# Altium PCB NORA-B1-EVK.PcbDoc (part 6 of 6)
Units mil, origin at the board's own origin, x right, y up, seen from the top; angles counter-clockwise.
Board outline 4300 x 2200 mil, 4 copper layers (L1, L2, L3, L4), stack 61.418 mil thick; 362 components, 204 nets, 1273 pads, 1409 vias.
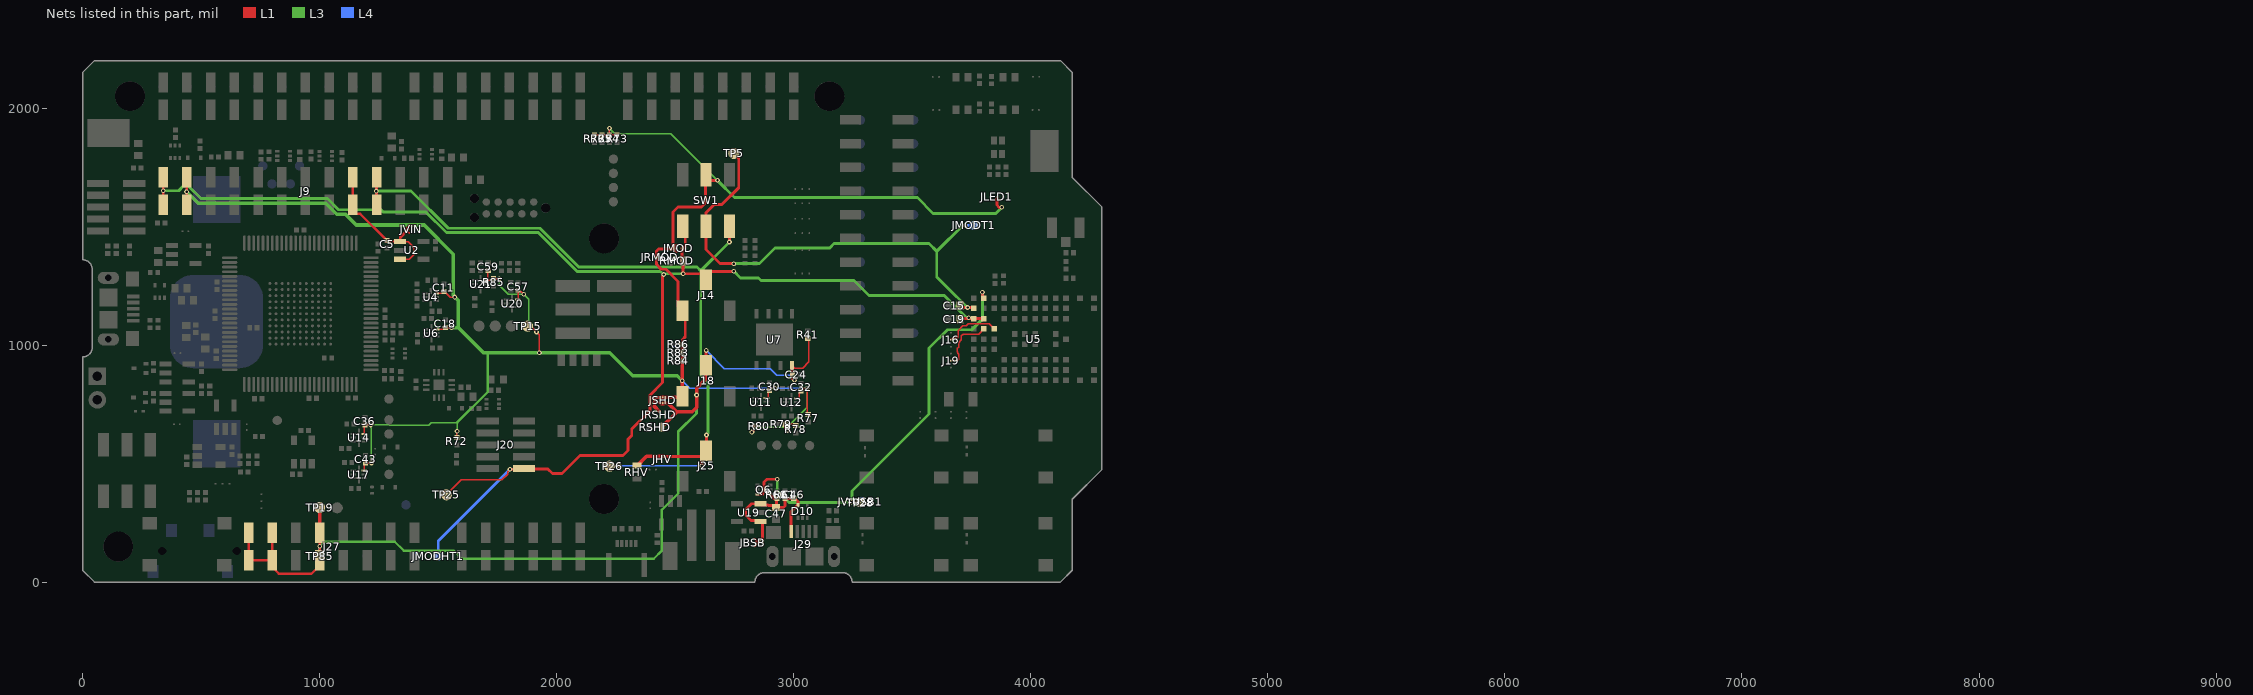
[diagram p8: the nets of this part, all layers, seen from the top]

## Via types
v1: diameter 20, hole 10, L1 to L4, 1095 vias
v2: diameter 15.75, hole 7.87, L1 to L2, 114 vias
v3: diameter 20, hole 10, L1 to L4, tented both sides, 105 vias
v4: diameter 15.75, hole 7.87, L3 to L4, 48 vias
v5: diameter 20, hole 10, L2 to L3, 47 vias

## Nets (pads, with @x,y where several pads share a name; then routed paths per layer and width w, separated by ;. In a path a pad name is that pad's centre, name@x,y a point inside that pad or via, vN(x,y) a via of type N, cw(c..) or ccw(c..) an arc to the next point about the centre after c; other vN are vias at no path point) (continued)
VHV: J9.10 J25.2 JHV.1 RHV.2 SW1.4 TP26.1 | length 3463.6
  L1 w6: 2196.85,488.07 2200.65,491.87 v1(2263.13,491.87) ; J25.2@2630,554.96 J25.2@2650,534.96
  L1 w12: J9.10@1240,1592.32 J9.10@1240,1707.68 ; JHV.1@2444.47,530.51 2458.37,530.51 2605.54,530.51 J25.2@2612.2,537.17 ; v1@2612.2,489.72 v1(2612.2,491.37) J25.2@2612.2,537.17 ; J25.2@2619.37,565.59 J25.2@2629,555.96 ; v1(2631.89,620.5) 2631.89,564.91 2626.97,559.99 2630,556.96 J25.2@2629,555.96 ; v1(2728.43,1434.74) SW1.4@2728.43,1501.73 ; J25.2@2612.2,537.17 J25.2@2630,554.96 J25.2@2629,555.96
  L1 w15: RHV.2@2338.58,490.16 2378.93,530.51 2430.57,530.51 JHV.1@2444.47,530.51
  L3 w12: v1(1239.09,1649.61) 1385.83,1649.61 1542.54,1492.89 1929.53,1492.89 2092.95,1329.47 2591.41,1329.47 2607.28,1313.6 ; v1(2631.89,620.5) 2637.8,626.41 2637.8,842.52 2607.28,873.03 2607.28,1313.6 ; v1(2728.43,1434.74) 2607.28,1313.6
  L4 w6: v1(2263.13,491.87) 2611.7,491.87 v1(2612.2,491.37)
VIN: C5.1 J9.9 JVIN.2 U2.1 U2.3 | length 624
  L1 w6: U2.3@1339.57,1362.1 1378.73,1362.1 1396.98,1380.35 1396.98,1412.89 1372.97,1436.9 U2.1@1339.57,1436.9
  L1 w10: J9.9@1140,1707.68 1140,1569.3 1155.08,1554.22 1170.58,1554.22 1283.86,1440.94 C5.1@1284.45,1440.94 1288.49,1436.9 U2.1@1339.57,1436.9
  L1 w12: U2.1@1339.57,1436.9 1339.57,1454.54 1368.16,1483.13 JVIN.2@1374.02,1488.99
VMOD: C19.1 J9.1 J14.2 J20.1 JMOD.1 JMODHT1.1 RMOD.2 SW1.6 TP25.1 U5.A7 U5.B7 | length 6273.2
  L1 w6: TP25.1@1534.45,368.89 1596.57,431.01 1768.71,431.01 1793.4,455.7 1793.4,466.4 v1(1803,476)
  L1 w10: v1(1803,476) J20.1@1860.77,476
  L1 w12: J9.1@340,1592.32 v1(340,1651.41) J9.1@340,1707.68 ; J20.1@1860.77,476 1862.66,477.89 1961.81,477.89 1982.02,457.68 2021.77,457.68 2098.43,534.33 2278.84,534.33 2300.39,555.88 2300.39,602.49 2316.2,618.3 2316.2,645.67 2392.8,722.27 2392.8,788.76 2446.1,842.06 2446.1,1291.73 2451.1,1296.73 v1(2451.1,1297.9) ; JMOD.1@2527.13,1407.76 2532.71,1405.08 2533.13,1404.88 2532.88,1404.44 2529.66,1398.87 2529.25,1398.16 2528.49,1395.01 ; 2528.97,1395.48 2528.86,1394.94 2528.49,1391.93 2528.49,1354.99 2533.03,1350.45 v1(2533.03,1300.93) 2630,1300.93 J14.2@2630,1288.44 ; SW1.6@2531.57,1501.73 2542,1491.31 2542,1415.76 2536.42,1410.18 ; J14.2@2630,1274.96 J14.2@2630,1288.44 ; v1(2747.23,1311.71) 2747.23,1311 2652.56,1311 J14.2@2630,1288.44 ; C19.1@3704.48,1111.61 3731.35,1111.61 3734.57,1114.84 3736.73,1114.84 v1(3737.81,1115.91) ; v1@3732.64,1111.61 U5.A7@3758.46,1111.61 U5.B7@3801.77,1111.61
  L3 w12: v1(340,1651.41) 405.34,1651.41 423.93,1670 446.77,1670 498.93,1617.83 1032.97,1617.83 1079.75,1571.06 1259.13,1571.06 1268.1,1562.09 1447.48,1562.09 1534.58,1474.99 1922.11,1474.99 2086.41,1310.69 2438.31,1310.69 v1(2451.1,1297.9) 2454.13,1300.93 v1(2533.03,1300.93) ; v1(2747.23,1311.71) 2775.89,1283.05 2850.95,1283.05 2861.34,1272.66 3253.88,1272.66 3316.86,1209.68 3634.58,1209.68 3727.88,1116.37 3735.2,1116.37 3736.73,1114.84 v1(3737.81,1115.91)
  L4 w12: JMODHT1.1@1500,110 1500,173 v1(1803,476)
VMODH: C15.1 JMODT1.1 SW1.5 TP5.1 U5.A8 | length 2091.7
  L1 w12: TP5.1@2747.05,1808.87 2767.72,1788.2 2767.72,1663.98 2696.26,1592.52 2664.37,1592.52 2630,1558.15 SW1.5@2630,1501.73 2630,1403 2689.05,1343.95 2747.23,1343.95 v1(2747.23,1342.66) ; C15.1@3703.41,1159.45 3707.94,1154.92 3711.44,1158.42 v1(3733.32,1158.42) 3754.96,1158.42 U5.A8@3758.46,1154.92
  L3 w12: v1(2747.23,1342.66) 2753.63,1342.66 2754.92,1343.95 2854.73,1343.95 2920.69,1409.91 3151.92,1409.91 3170,1427.99 3571.03,1427.99 3603.35,1395.67 ; v1(3723.51,1505) 3723.3,1505.21 3712.88,1505.21 3603.35,1395.67 ; v1(3733.32,1158.42) 3732.77,1158.42 3647.08,1244.11 3634.25,1256.94 3633.54,1256.94 3603.35,1287.13 3603.35,1395.67
  L4 w12: v1(3723.51,1505) JMODT1.1@3760,1505
VMODUSB: C46.1 C47.1 D10.5 J29.1 JBSB.2 Q6.4 R60.2 R61.1 U19.1 U19.3 | length 713.5
  L1 w6: C47.1@2925,314.82 C47.1@2927,316.82
  L1 w12: JBSB.2@2838.58,166.93 2842.02,170.36 ; 2844.44,172.79 2842.02,170.36 ; U19.1@2858.85,260.66 2868.5,251 2868.5,177.14 2866.78,175.42 2867.39,174.82 2866.33,174.82 2861.87,170.36 2845.11,170.36 2842.02,170.36 ; U19.1@2859.35,255.83 2854.52,260.66 2820.09,260.66 2797.07,283.67 2797.07,305.96 2821.74,330.63 U19.3@2859.35,330.63 2864.17,325.81 2891.08,325.81 2893.3,323.59 2916.24,323.59 C47.1@2925,314.82 2956.59,314.82 2963.5,321.73 R61.1@2963.5,353.48 C46.1@3000,353.48 3004.75,353.48 3017.31,340.92 D10.5@3017.31,324.81 3016.57,324.81 2988.82,297.05 J29.1@2988.82,213.55 ; Q6.4@2900.57,370.55 2900.57,367.61 2914.7,353.48 2927,353.48 C47.1@2927,316.82
  other v1: 2865.25,171.73
VSHLD: C24.1 J18.2 J27.1 J27.2 J27.4 JSHD.1 R41.2 RSHD.2 TP19.1 TP85.1 U7.8 | length 4291
  L1 w6: U7.8@2993.31,914.5 3004.65,903.15 3038.4,903.15 3064.05,928.8 3064.05,1023.79 3059.76,1028.08 R41.2@3059.06,1028.08
  L1 w10: J27.1@700,207.68 J27.1@700,92.32 J27.2@800,92.32 ; J27.2@800,207.68 J27.2@800,92.32 ; J27.4@1000,207.68 v1(1000,151.31) J27.4@1000,92.32 1000,70 965.43,35.43 828.07,35.43 800,63.51 J27.2@800,92.32
  L1 w12: J18.2@2630,914.96 2619.37,925.59 2630.33,936.56 v1(2630.33,977.54)
  L1 w15: J27.4@1000,207.68 TP19.1@1000,314.53 ; RSHD.2@2441.63,653.08 2505.71,717.16 2505.71,718.39 ; JSHD.1@2445.06,755.05 2458.96,755.05 2469.05,755.05 2505.71,718.39 ; J18.2@2630,914.96 2626.97,911.93 2626.97,854.7 2590,817.73 v1(2590,789.64) 2590,736.95 2571.43,718.39 2505.71,718.39 ; U7.8@2993.31,914.5 C24.1@2993.31,876.46 ; C24.1@2994.72,875.06 C24.1@2993.31,876.46 ; v1(3002.95,851.67) 2993.31,861.31 C24.1@2993.31,876.46
  L3 w10: v1(1000,151.31) 1019.44,170.75 1316.74,170.75 1354.61,132.87 1565.19,132.87 1599.15,98.91 2408.96,98.91 2443.62,133.56 2443.62,305.29 2512.89,374.56 2512.89,450.69
  L3 w12: 2512.89,450.69 2512.89,634.93 2590,712.05 v1(2590,789.64)
  L4 w6: v1(2630.33,977.54) 2707.45,900.42 2899.99,900.42 2928.37,872.05 2982.57,872.05 v1(3002.95,851.67)
  L4 w10: TP85.1@1000,110 v1(1000,151.31)
VSYS: C11.2 C18.2 C30.2 C32.2 C36.2 C43.2 C57.2 C59.2 J9.2 J14.3 J18.3 JLED1.2 JMOD.2 JRMOD.2 JRSHD.2 JSHD.2 R72.2 R73.2 R74.2 R75.2 R76.2 R77.2 R78.2 R79.2 R80.2 R83.2 R84.2 R85.2 R86.2 SW1.2 TP15.1 U4.8 U6.8 U11.8 U12.8 U14.8 U17.8 U20.8 U21.8 | length 9357.7
  L1 w6: U17.8@1188.62,470.75 1188.62,497.45 C43.2@1192.91,501.74 ; U14.8@1188.62,625.75 1188.62,660.5 C36.2@1191.04,662.92 1191.4,663.28 v1(1214.9,663.28) ; C43.2@1193.44,502.16 1193.7,502.42 v1(1218.32,502.42) ; U4.8@1492.13,1218.5 1520.98,1218.5 1524,1221.53 C11.2@1524,1226.16 C11.2@1524,1226.93 ; U6.8@1494.65,1066.92 1523.51,1066.92 C18.2@1530.51,1073.93 v1(1556.1,1073.93) ; C11.2@1527.99,1224.74 1528.28,1225.03 1550.56,1202.76 1569.59,1202.76 v1(1569.8,1202.55) ; R72.2@1578.74,610.24 1578.74,635.83 v3(1579.72,636.81) ; U21.8@1702.59,1273.6 U21.8@1709.43,1273.6 ; C59.2@1711.26,1314.94 1709.56,1313.25 U21.8@1709.56,1273.6 ; v1(1757.05,1279.98) 1756.36,1280.67 R85.2@1733.73,1280.67 1726.66,1273.6 U21.8@1709.56,1273.6 ; U20.8@1835.43,1192.13 1836.61,1193.31 C57.2@1836.61,1231.36 1842.94,1225.03 1850.43,1225.03 1852.09,1223.38 1852.36,1223.38 1852.36,1223.27 v1(1860.63,1215) ; TP15.1@1877.05,1079.76 1890.37,1079.76 v1(1914.4,1055.72) 1927,1043.13 v1(1927,967.52) ; R76.2@2159.45,1886.44 R75.2@2190.55,1886.44 R74.2@2222.44,1886.44 ; v1(2222.44,1914.37) R74.2@2222.44,1886.44 ; R73.2@2255,1886.44 R74.2@2222.44,1886.44 ; 2428.32,773.35 cw(c2444.85,767.58) 2432.17,779.65 cw(c2444.85,767.58) 2454.8,781.98 cw(c2444.85,767.58) 2457.52,779.65 cw(c2444.85,767.58) 2461.37,773.35 ; v1(2823.42,632.9) 2824.44,631.88 2827.08,631.88 2830.93,635.74 2830.93,651.27 R80.2@2838.23,658.57 ; U11.8@2884.87,776.92 2892.38,776.92 2892.38,803.1 C30.2@2897.83,808.55 2907.59,818.31 2907.94,817.95 v1(2920.42,817.95) ; v1(2973.38,639.62) 2972.38,639.62 2962.6,649.4 R79.2@2962.6,666.34 3002.47,666.34 R78.2@3008.37,660.43 ; U12.8@3013.5,775.59 3014.28,776.37 3022.27,776.37 3022.27,797.78 C32.2@3030.99,806.5 3031.59,805.9 3043.65,817.95 v1(3056.36,817.95) 3056.36,712.56 R77.2@3061.22,707.69 ; U21.8@1709.43,1273.6 U21.8@1709.56,1273.6 ; U21.8@1709.43,1273.6 1709.56,1273.46 U21.8@1709.56,1273.6
  L1 w10: v1(438.6,1647.19) 438.6,1593.73 J9.2@440,1592.32 ; v1@439.5,1649.61 439.5,1707.18 J9.2@440,1707.68
  L1 w12: 2412.37,741.07 2412.37,773.05 2418.97,779.65 2432.17,779.65 JSHD.2@2445.06,779.65 ; J14.3@2528.54,1143.58 J14.3@2530,1145.04 ; R86.2@2529.09,992.52 R86.2@2530,993.43 ; R86.2@2530,1002.95 2530,1023.35 2542,1035.35 2542,1133.04 J14.3@2530,1145.04 ; SW1.2@2630,1718.27 2627.95,1716.22 SW1.2@2627.95,1696.05 ; v1(2678.15,1695.09) 2628.92,1695.09 SW1.2@2627.95,1696.05 ; 3856.64,1620.2 3856.64,1590.79 3866.42,1581.02 v1(3877.31,1581.02) ; J14.3@2530,1145.04 2512,1163.04 2512,1268.97 2461.17,1319.81 2441.22,1319.81 2420.28,1340.75 JRMOD.2@2420.28,1369.59 2420.28,1396.23 2429.55,1405.51 2495.8,1405.51 2500.28,1405.51 JMOD.2@2502.53,1407.76 2496.67,1413.62 2490.4,1419.89 2490.4,1561.4 2511.68,1582.68 2611.22,1582.68 2627.95,1599.41 SW1.2@2627.95,1696.05
  L1 w15: 2412.37,741.07 JRSHD.2@2432.97,720.47 ; JSHD.2@2445.06,779.65 JSHD.2@2447,779.65 2457.52,779.65 2524.61,779.65 J18.3@2530,785.04 v1(2530,850) 2530,993.43 R86.2@2530,1002.95 ; J14.3@2528.54,1143.58 J14.3@2530,1142.13
  L3 w6: v1(1218.32,502.42) 1218.32,659.86 v1(1214.9,663.28) 1216.62,665 1289.9,665 1293.57,661.33 1459.48,661.33 1471.16,673.01 1579.72,673.01 v3(1579.72,636.81) ; v1(1757.05,1279.98) 1757.05,1252.94 1795,1215 v1(1860.63,1215) 1881.38,1194.26 1881.38,1088.75 v1(1914.4,1055.72) ; v1(2222.44,1914.37) 2245.08,1891.73 2481.5,1891.73 v1(2678.15,1695.09) ; v1(2823.42,632.9) 2843.98,653.47 2973.38,653.47 v1(2973.38,639.62) ; v1@2972.88,639.12 2972.88,653.47 2981.54,662.13 3056.36,736.95 v1(3056.36,817.95)
  L3 w10: 1579.72,673.01 1709.25,802.54 1709.25,967.52
  L3 w12: v1@2679.13,1693.04 2750.12,1622.05 3521.45,1622.05 3587.87,1555.63 3851.92,1555.63 v1(3877.31,1581.02)
  L3 w15: v1(438.6,1647.19) 487.36,1598.43 1024.94,1598.43 1071.71,1551.65 1109.2,1551.65 1154.18,1506.67 1441.16,1506.67 1563.98,1383.86 1563.98,1208.78 1569.8,1202.96 v1(1569.8,1202.55) ; v1(1556.1,1073.93) 1584.63,1073.93 ; v1@1570,1202.76 1584.63,1188.12 1584.63,1073.93 ; v1(2530,850) 2508.94,871.06 2320.28,871.06 2223.83,967.52 v1(1927,967.52) 1893.79,967.52 1893.47,967.2 1874.08,967.2 1873.76,967.52 1729.27,967.52 1728.95,967.2 1709.56,967.2 1709.25,967.52 1691.04,967.52 1584.63,1073.93
  L4 w6: v1(2530,850) 2530,849.5 2561.19,818.31 2580.71,818.31 2581.06,817.95 v1(2920.42,817.95) 3042.68,817.95 3043.03,818.31 3043.39,817.95 v1(3056.36,817.95)
VUSB: JV-USB1.1 Q6.3 TP28.1 U5.B9 | length 1793.8
  L1 w8: v1(3245.08,336.61) 3279.01,336.61 TP28.1@3280,335.62 ; U5.B9@3797.11,1202.89 U5.B9@3801.77,1198.23
  L1 w12: Q6.3@2847.43,370.55 2867.31,370.55 2875,378.23 2875,422.23 2887,434.23 v1@2929,434.23 ; v1(3795.81,1223.43) 3795.81,1204.19 U5.B9@3797.11,1202.89
  L3 w12: v1(2930,434.23) 2930,386 2979.39,336.61 v1(3245.08,336.61) 3245.08,383.86 3570.87,709.65 3570.87,987.2 3648.62,1064.96 3750.98,1064.96 3797.11,1111.09 3795.81,1112.38 v1(3795.81,1223.43)
  L4 w8: v1(3245.08,336.61) 3277.61,336.61 JV-USB1.1@3281,340
XL1: J16.2 U5.C6 | length 234.5
  L1 w6: J16.2@3663.02,1022.38 3669.91,1029.27 3688.71,1029.27 3693.83,1034.38 3693.83,1061.42 3713.31,1080.91 3727.48,1080.91 3736.14,1089.57 3823.82,1089.57 U5.C6@3845.08,1068.31
XL2: J19.2 U5.B6 | length 248.9
  L1 w6: J19.2@3662.57,934.78 3688.44,934.78 3694.88,941.22 3694.88,962.16 3691.26,965.77 3691.26,969.88 3690.15,971 3690.15,986.66 3694.88,991.4 3694.88,1010.95 3707.28,1023.35 3707.28,1039.76 3714.17,1046.65 3780.12,1046.65 U5.B6@3801.77,1068.31
pads on no net: BAT1.0 D1.4 D10.4 J6.23 J9.8 J9.12 J10.7 J10.8 J10.9 J11.7 J11.8 J11.9 J11.A J11.B J11.C J13.4 J20.7 J20.8 J27.8 J29.4 J30.0 J30.1 J30.3 J30.5 SW1.1 SW3.3 SW3.6 SW4.2 SW5.2 SW6.1 SW7.2 SW8.2 SW9.4 SW9.EPAD U1.4 U2.4 U3.1 U3.5 U3.6 U3.7 U3.13 U3.14 U3.15 U3.16 U3.17 U3.18 U3.19 U3.20 U3.21 U3.26 U3.27 U3.28 U3.29 U3.31 U3.32 U3.33 U3.35 U3.38 U3.39 U3.42 U3.43 U3.44 U3.45 U3.46 U3.47 U3.50 U3.54 U3.55 U3.56 U3.67 U3.68 U3.69 U3.70 U3.72 U3.77 U3.81 U3.86 U3.91 U5.A6 U5.J1 U5.J4 U5.J5 U5.K1 U7.9 U8.4 U9.5 U9.9 U9.11 U9.EPAD U10.4 U13.4 U16.4 U18.4 U19.4 U22.A4 U22.A5 U22.A9 U22.A10 U22.A11 U22.B1 U22.B9 U22.B11 U22.C1 U22.C2 U22.C4 U22.C8 U22.C11 U22.D1 U22.D2 U22.D6 U22.D7 U22.D11 U22.E1 U22.E4 U22.E8 U22.E11 U22.F3 U22.F8 U22.F9 U22.F11 U22.G2 U22.G4 U22.G8 U22.G9 U22.G10 U22.H1 U22.H2 U22.H3 U22.H4 U22.H5 U22.H6 U22.H7 U22.H8 U22.H10 U22.H11 U22.J1 U22.J2 U22.J3 U22.J4 U22.J5 U22.J8 U22.J9 U22.J10 U22.K1 U22.K2 U22.K3 U22.K4 U22.K5 U22.K7 U22.K8 U22.K9 U22.L1 U22.L2 U22.L3 U22.L4 U22.L5 U22.L7 U22.L8 U22.L9 U22.L11
copper on no net: | length 8120
  L1 w7.87: 8051.71,845.48 8971.71,845.48 8971.71,940.48 8051.71,940.48 8051.71,845.48
  L2 w7.87: 8051.71,725.48 8971.71,725.48 8971.71,820.48 8051.71,820.48 8051.71,725.48
  L3 w7.87: 8051.71,605.48 8971.71,605.48 8971.71,700.48 8051.71,700.48 8051.71,605.48
  L4 w7.87: 8051.71,490.48 8971.71,490.48 8971.71,585.48 8051.71,585.48 8051.71,490.48

## Polygon pours and split planes (outlines as drawn)
GND on L3 "L3-GND" (solid, remove dead copper, pour order 15): 660.06,0 50,0 0,50 0,1456.69 0,2150 50,2200 1419.64,2200 2710,2200 4125,2200 4175,2150 4175,1705 4300,1580 4300,475 4175,350 4175,50 4125,0
VDD on L3 "L3-VIO" (solid, remove dead copper, pour order 13): 765.64,990.43 766.27,1094.88 874.8,1207.37 875.97,1559.47 1085.36,1560.85 1251.73,1414.3 1251.73,1232.86 1397.98,1086.61 1398.87,807.09 1222.09,626.94 1222.09,493.8 1086.19,493.8
GND on L4 "Bot-GND" (solid, remove dead copper, pour order 7): 50,0 0,50 0,2150 50,2200 4125,2200 4175,2150 4175,1707 4300,1582 4300,475 4175,350 4175,50 4125,0
GND on L2 "L2-GND" (solid, remove dead copper, pour order 9): 50,0 0,50 0,2150 50,2200 4125,2200 4175,2150 4175,1705 4300,1580 4300,475 4175,350 4175,50 4125,0
GND on L1 "S" (solid, remove dead copper, pour order 11): 50,0 0,50 0,2150 50,2200 4125,2200 4175,2150 4175,1707 4300,1582 4300,475 4175,350 4175,50 4125,0

## Keep-outs
Keep-Out Layer:
  rectangle: 8051.71,-225.52 8241.71,-130.52
  lines w7.87: 8971.71,-225.52 8051.71,-225.52 8051.71,-130.52 8971.71,-130.52
  text "Routing Keepout Layer" at 8311.71,-198.52 h40

## Other copper
L1:
  rectangle: 8051.71,845.48 8241.71,940.48
  pour cut-out: 4109.25,1537.4 4115.16,1543.31 4179.06,1543.31 4186.02,1536.34 4186.02,1451.77 4167.32,1433.07 4167.32,1181.1 4126.07,1181.1 4128.26,1432.77 4109.25,1451.77
  text ".Layer_Name" at 8311.71,872.48 h40
L2:
  rectangle: 8051.71,725.48 8241.71,820.48
  text ".Layer_Name" at 8311.71,752.48 h40
L3:
  rectangle: 8051.71,605.48 8241.71,700.48
  text ".Layer_Name" at 8311.71,632.48 h40
L4:
  rectangle: 8051.71,490.48 8241.71,585.48
  text ".Layer_Name" at 8311.71,517.48 h40
Multi-Layer:
  rectangle: 8051.71,-345.52 8241.71,-250.52
  lines w7.87: 8051.71,-345.52 8971.71,-345.52 8971.71,-250.52 8051.71,-250.52 8051.71,-345.52
  text "Multilayer" at 8311.71,-318.52 h40

## Silkscreen, mask and mechanical layers (free items; w line width, h text height)
Top Overlay:
  circle w10: c3287,866 r5.1
  circle w10: c3285,802 r5.1
  circle w10: c3288,931 r5.1
  circle w10: c544,389 r5.1
  circle w10: c3897,1653 r5.1
  rectangle: 8051.71,1081.48 8241.71,1176.48
  lines w5: 37.9,301.14 37.9,368.48 ; 365.36,370.66 365.36,303.32 ; 1586,708.44 1925.37,708.44 ; 2734.17,1445.26 2734.17,1293.99 2891.89,1293.99 2891.89,1465.55 2766,1465.55 ; 2883.08,556.1 2984.18,455 3055.12,455 ; 2946.13,556.1 3007.63,494.6 3074.45,494.6 ; 3011.05,555.81 3037.87,528.99 3074.8,528.99 ; 3094.29,796.58 3071.83,819.04 3071.83,975.61 3098.35,1002.13 3187.83,1002.13 ; 3177.44,991.73 3187.83,1002.13 ; 3177.44,1012.52 3187.83,1002.13 ; 3522.56,991.73 3512.17,1002.13 ; 3522.56,1012.52 3512.17,1002.13 ; 3560.67,1002.13 3512.17,1002.13 ; 37.9,368.48 31.65,350.13 44.15,350.13 37.9,368.48 ; 365.36,303.32 359.1,321.67 371.61,321.67 365.36,303.32
  lines w7.87: 8051.71,1081.48 8051.71,1176.48 8971.71,1176.48 8971.71,1081.48 8051.71,1081.48
  text ":P0.29" at 3980.63,2071.28 h60
  text "P0.28:" at 3515.75,2069.24 h60
  text "P0.30:" at 3515.75,2027.24 h60
  text ":P0.31" at 3980.37,2027.19 h60
  text "SWD" at 216.54,1975.39 h60 r270
  text "GND" at 20,1972 h60
  text "EXT" at 262,1966.02 h60 r270
  text "P1.07" at 1581.06,1943.62 h60 r270
  text "P1.06" at 1681.06,1943.62 h60 r270
  text "P1.05" at 1781.06,1943.62 h60 r270
  text "P1.04" at 1881.06,1943.62 h60 r270
  text "P1.14" at 819.88,1942.91 h60 r270
  text "P1.12" at 1020.67,1942.91 h60 r270
  text "P1.10" at 1220.47,1942.91 h60 r270
  text "P1.09" at 1378.73,1942.91 h60 r270
  text "P1.08" at 1480.31,1942.91 h60 r270
  text "P1.01" at 1978.35,1942.91 h60 r270
  text "P1.00" at 2077.76,1942.91 h60 r270
  text "P1.03" at 316.99,1942.21 h60 r270
  text "P1.02" at 432.09,1941.93 h60 r270
  text "P1.13" at 920.62,1942.21 h60 r270
  text "P1.11" at 1122,1942.21 h60 r270
  text "P1.15" at 718.2,1940.06 h60 r270
  text "P0.27" at 520.67,1937.01 h60 r270
  text "GND" at 620.08,1934.06 h60 r270
  text "P0.10" at 2279.93,1934.23 h60 r270
  text "P0.09" at 2379.93,1934.23 h60 r270
  text "P0.08" at 2479.93,1934.23 h60 r270
  text "P0.07" at 2579.93,1934.23 h60 r270
  text "P0.03" at 2679.93,1934.23 h60 r270
  text "P0.02" at 2779.93,1934.23 h60 r270
  text "P0.01" at 2874.93,1934.23 h60 r270
  text "P0.00" at 2979.93,1934.23 h60 r270
  text "P0.11" at 3077.28,1930.3 h60
  text "P0.12" at 3516.33,1910.43 h60
  text "GND" at 4124,1872 h60 r270
  text "P0.13" at 3073.23,1827.88 h60
  text "P0.14" at 3516.33,1827 h60
  text "VCOM2" at 2283.82,1799.9 h80 r270
  text "VMODH" at 2561.19,1784.57 h30
  text "SHIELD" at 1651.36,1778.8 h60
  text "TXD->P0.22" at 1960.59,1765.47 h60
  text "SWD" at 1673.14,1734.18 h60
  text "P0.16" at 3513.06,1733.97 h60
  text "Module Supply" at 2831.94,1728.35 h75 r270
  text "P0.15" at 3074.8,1726.97 h60
  text "DEBUG / OUT" at 26.88,1723.97 h70
  text "RXD<-P0.20" at 1962.6,1707.68 h60
  text "RTS->P0.21" at 1965.55,1646.65 h60
  text "P0.18" at 3513.06,1633.97 h60
  text "P0.17" at 3079.72,1626.85 h60
  text "LED1-4" at 3907,1614 h25
  text "RGB1" at 3725,1613 h25
  text "CTS<-P0.19" at 1968.39,1584.65 h60
  text "P0.20" at 3513.06,1533.97 h60
  text "P0.19" at 3079.72,1528.54 h60
  text "<LV              HV>" at 2385,1475 h75
  text "RED: P0.28 / BLUE: P0.29 / GREEN: P0.30" at 3631,1470 h50
  text "NFC SEL" at 2904.41,1448.68 h50 r270
  text "P0.22" at 3513.06,1433.97 h60
  text "P0.21" at 3084.26,1429.99 h60
  text "P0.24" at 3513.06,1333.97 h60
  text "P0.23" at 3074.8,1327.71 h60
  text "u" at 3648.16,1326.58 h150
  text "Module Current / Sense" at 2476.46,1323.82 h65
  text "P0.29" at 3513.06,1233.97 h60
  text "P1.14" at 1874.04,1231.94 h60
  text "P0.28" at 3074.8,1231.44 h60
  text "5V0" at 2327.35,1230.32 h60
  text "Quad SPI  / Flash" at 2787.48,1169.37 h65
  text "P0.31" at 3510.11,1134.56 h60
  text "P1.15" at 1874.04,1131.94 h60
  text "P1.13" at 2326.57,1130.79 h60
  text "P0.30" at 3071.8,1131.21 h60
  text ">" at 2645,1110 h30 r90
  text ".Layer_Name" at 8311.71,1108.48 h40
  text "RESET" at 1936.02,1101.49 h60 r270
  text "<VSYS>" at 2548,1084.69 h30 r270
  text "<GND>" at 2720,1070 h30 r270
  text "VMOD" at 2594.49,1065 h30
  text "VDD" at 1783.03,1045.08 h60 r270
  text "VBUS" at 1714.01,1043.86 h60 r270
  text "VSYS" at 1852.04,1043.63 h60 r270
  text "VBUS_H" at 1646.03,1042.33 h60 r270
  text "CTS" at 3100.96,1032.02 h60
  text "TxD" at 3510.2,1029.57 h60
  text "GND" at 2326.57,1029.01 h60
  text "VSHD" at 2598.25,1002.95 h30
  text ">" at 2615,990 h30 r270
  text "EXT PWR" at 153,951 h75 r270
  text "RTS" at 3097.94,929.65 h60
  text "RxD" at 3516.2,929.53 h60
  text "MODULE" at 1818.25,909.45 h60 r270
  text "<EN  DIS> UART" at 1869.09,907.96 h60 r270
  text "+  -" at 111,891 h100 r270
  text "NC" at 3121.06,829.72 h70
  text "GND" at 3516.93,830.26 h70
  text "SWD" at 1771.91,824.43 h60 r270
  text "NORA-B1" at 4068.33,764.37 h65
  text "VCOM1" at 3095.17,739.11 h80
  text "<GND>" at 2720,710 h30 r270
  text "DEBUG IN" at 1600.39,692.37 h70 r270
  text "P0.23:BUTTON1" at 3169.05,684.26 h60
  text "P0.24:BUTTON2" at 3877,674 h60
  text "VSUPPLY" at 857.33,670.18 h60
  text "RESET" at 1330.75,670 h60
  text "5V0>" at 2510,670 h30 r270
  text "VHV" at 2590,640 h30
  text "<OFF ON>" at 49,634 h75
  text ">" at 2615,630 h30 r270
  text "VCOM0" at 3052.58,620.09 h80
  text "VHV" at 2220,619.09 h60 r270
  text "P0.11:SWO" at 1330.75,605 h60
  text "4" at 2007.13,601.86 h24 r270
  text "3" at 2054.61,602.49 h24 r270
  text "2" at 2097.18,601.86 h24 r270
  text "1" at 2142.16,598.32 h24 r270
  text "RTSCTS2" at 2006.21,567.59 h24 r270
  text "RTSCTS0" at 2140.89,567.59 h24 r270
  text "RXTX2" at 2054.61,567.36 h24 r270
  text "RXTX0" at 2099.03,567.07 h24 r270
  text "TXD->P1.00" at 3101.28,557.6 h45
  text "VMOD" at 1515.96,535.31 h60 r270
  text "RXD<-P1.01" at 3085.15,519.68 h50
  text "SWDIO" at 1330.75,500 h60
  text "VSHLD" at 983.91,497.05 h60 r270
  text "RTS->P0.10" at 3084.87,480.91 h50
  text "CTS<-P0.11" at 3074.8,440.94 h50
  text "SWCLK" at 1330.75,440 h60
  text "RESET" at 382.31,439.18 h60 r270
  text "VSHLD" at 786.42,408.46 h60 r270
  text "VSHLD" at 689.96,404.53 h60 r270
  text "RESET" at 882.87,403.54 h60 r270
  text "P0.04" at 1581.06,376.38 h60 r270
  text "P0.05" at 1681.06,376.38 h60 r270
  text "P0.06" at 1781.06,376.38 h60 r270
  text "P0.07" at 1881.06,376.38 h60 r270
  text "P0.25" at 1981.06,376.38 h60 r270
  text "P0.26" at 2081.06,376.38 h60 r270
  text "V-USB" at 3209.11,374.56 h30 r270
  text "5V0" at 1110.96,358.8 h60 r270
  text "GND" at 1185,355 h60 r270
  text "GND" at 1285,355 h60 r270
  text "NC" at 1384.84,323.82 h60 r270
  text "MOD USB" at 3017.31,317.8 h70
  text "LiPo" at 2558.19,312.76 h75
  text "P0.08:BUTTON3" at 3321.85,307.93 h60
  text "P0.09:BUTTON4" at 3755,307 h60
  text "IF BOOT" at 435.89,300 h24
  text "Power" at 39.93,253 h75
  text "NFC" at 2241.22,246.06 h80
  text "-" at 2513,213 h100
  text "+" at 2676,205 h100
Bottom Overlay:
  drawing of 750 lines, arcs and shapes, not listed
  text "GND" at 4077.76,2044.29 h70 r90
  text "GND" at 655,2025 h60 r90
  text "P1.06" at 1715.39,2021.42 h60 r90
  text "P1.05" at 1815.39,2021.42 h60 r90
  text "P1.03" at 355,2020 h60 r90
  text "P1.02" at 455,2020 h60 r90
  text "P0.27" at 555,2020 h60 r90
  text "P1.15" at 755,2020 h60 r90
  text "P1.14" at 855,2020 h60 r90
  text "P1.13" at 955,2020 h60 r90
  text "P1.12" at 1055,2020 h60 r90
  text "P1.11" at 1155,2020 h60 r90
  text "P1.10" at 1255,2020 h60 r90
  text "P1.09" at 1415,2020 h60 r90
  text "P1.08" at 1515.39,2020 h60 r90
  text "P1.07" at 1615,2020 h60 r90
  text "P1.04" at 1915,2020 h60 r90
  text "P1.01" at 2015,2020 h60 r90
  text "P1.00" at 2115,2020 h60 r90
  text "P0.10" at 2315,2020 h60 r90
  text "P0.09" at 2415,2020 h60 r90
  text "P0.08" at 2515,2020 h60 r90
  text "P0.07" at 2615,2020 h60 r90
  text "P0.03" at 2715,2020 h60 r90
  text "P0.02" at 2815,2020 h60 r90
  text "P0.01" at 2915,2020 h60 r90
  text "P0.00" at 3015,2020 h60 r90
  text "GND" at 274.61,1971.46 h70 r90
  text "P0.11" at 3455,1935 h60
  text "P0.12" at 3680,1935 h60
  text "J-Link" at 233.64,1836.53 h57 r90
  text "P0.13" at 3455,1835.25 h60
  text "P0.14" at 3680,1835.25 h60
  text "www.segger.com" at 278.94,1833.33 h66 r90
  text "P0.15" at 3455,1735.5 h60
  text "P0.16" at 3680,1735.5 h60
  text "TM" at 217.04,1699.93 h37 r90
  text "S" at 160.43,1691.53 h53 r90
  text "NORA-B1 / Evaluation Board" at 4146.65,1670.22 h100 r90
  text "NORA-B1" at 1134,1669 h90 r90
  text "GPIO" at 1243.26,1668.6 h78.5 r90
  text "E" at 160.43,1656.5 h53 r90
  text "Technology" at 233.64,1649.43 h57 r90
  text "P0.17" at 3455,1635.75 h60
  text "P0.18" at 3680,1635.75 h60
  text "P0.00" at 1355,1635 h90 r90
  text "P0.01" at 1532.28,1635 h90 r90
  text "P0.22" at 1766.28,1635 h90 r90
  text "P0.19" at 1866.28,1635 h90 r90
  text "P0.03" at 2318,1635 h90 r90
  text "P0.23" at 2455.28,1635 h90 r90
  text "P0.24" at 2561.28,1635 h90 r90
  text "P0.08" at 2672.28,1635 h90 r90
  text "P0.09" at 2783.28,1635 h90 r90
  text "P0.28" at 2894.28,1635 h90 r90
  text "P0.29" at 3005.28,1635 h90 r90
  text "P0.30" at 3111.28,1635 h90 r90
  text "P0.31" at 3212.28,1635 h90 r90
  text "P0.02" at 2110.24,1632.87 h90 r90
  text "G" at 160.43,1625.63 h53 r90
  text ".GlobalProjectLink" at 4010.83,1598.43 h75 r90
  text "G" at 160.43,1586.63 h53 r90
  text "P0.20" at 1632.87,1573.82 h70 r90
  text "P0.21" at 1944.88,1570.87 h70 r90
  text "E" at 160.43,1546.33 h53 r90
  text "P0.19" at 3455,1536 h60
  text "P0.20" at 3680,1536 h60
  text "R" at 160.43,1513.43 h53 r90
  text "'.ProjectEngineer'" at 595,1470 h30
  text "VMODH" at 3749.73,1469.49 h60 r90
  text "Function" at 1243.26,1436 h78.5 r90
  text "P0.21" at 3455,1436.25 h60
  text "P0.22" at 3680,1435 h60
  text "Button 4" at 2778.54,1398.62 h90 r90
  text "Button 1" at 2445.28,1397.6 h90 r90
  text "Button 3" at 2667.28,1397.6 h90 r90
  text "Button 2" at 2551.2,1397.46 h90 r90
  text "NFC2" at 2298.47,1363.54 h90 r90
  text "LED 1" at 2894.28,1362.6 h90 r90
  text "LED 2" at 3005.28,1362.6 h90 r90
  text "LED 3" at 3111.28,1362.6 h90 r90
  text "LED 4" at 3212.28,1362.6 h90 r90
  text "NFC1" at 2109.47,1361.54 h90 r90
  text "TXD" at 1665.28,1348.6 h90 r90
  text "XL1" at 1351.28,1347.6 h90 r90
  text "RTS" at 1866.28,1346.6 h90 r90
  text "XL2" at 1531.28,1345.6 h90 r90
  text "RXD" at 1766.28,1345.6 h90 r90
  text "CTS" at 1966.28,1345.6 h90 r90
  text "P0.24" at 3680,1336.5 h60
  text "P0.23" at 3455,1335 h60
  text "P0.28" at 3455,1236.75 h60
  text "P0.29" at 3680,1236.75 h60
  text "P0.30" at 3455,1137 h60
  text "P0.31" at 3680,1137 h60
  text "Jumper" at 1243.26,1106 h78.5 r90
  text "SW2.4" at 1912.63,1037.91 h90 r90
  text "GND" at 3677.34,1036.42 h60
  text "SW2.3" at 1714.01,1033.54 h90 r90
  text "GPIO" at 3430.05,1009.62 h78.5 r90
  text "J16" at 1352,1001 h90 r90
  text "R15" at 2066,1000 h90 r90
  text "R22" at 2143.7,1000 h90 r90
  text "R16" at 2259,1000 h90 r90
  text "J19" at 1531,999 h90 r90
  text "R23" at 2336.61,999.02 h90 r90
  text "J24" at 2452,999 h90 r90
  text "J21" at 2562,999 h90 r90
  text "J22" at 2672,999 h90 r90
  text "J23" at 2782,999 h90 r90
  text "J4" at 2893.28,999 h90 r90
  text "J5" at 3004.28,999 h90 r90
  text "J7" at 3110.28,999 h90 r90
  text "J8" at 3206.28,999 h90 r90
  text ".PCBDocNum" at 4143.7,983.27 h45 r90
  text "P0.18" at 3512.28,976.02 h90 r90
  text "P0.17" at 3623.28,976.02 h90 r90
  text "P0.13" at 3734.28,976.02 h90 r90
  text "P0.14" at 3845.28,976.02 h90 r90
  text "P0.15" at 3951.28,976.02 h90 r90
  text "P0.16" at 4052.28,976.02 h90 r90
  text "FNC" at 3430,778.02 h78.5 r90
  text "HW" at 1243.31,776 h78.5 r90
  text "MOD" at 1360.72,761.28 h70 r90
  text "MOD" at 2265,761 h70 r90
  text "DIO0" at 3734.28,760.02 h90 r90
  text "DIO2" at 3951.28,759.98 h90 r90
  text "DIO3" at 4052.28,760.23 h90 r90
  text "MOD" at 1897,758.6 h70 r90
  text "MOD" at 2480.72,757.6 h70 r90
  text "MOD" at 3045.72,757.6 h70 r90
  text "DIO1" at 3845.28,756.4 h90 r90
  text "CLK" at 3613.28,753.36 h90 r90
  text "__ / CS" at 3512,731.02 h90 r90
  text "IF MCU" at 1640.28,696.1 h70 r90
  text "PIN" at 2700,687.6 h70 r90
  text "PIN" at 3220,687.6 h70 r90
  text "CR2032" at 844.49,659.87 h120 r90
  text ".GlobalProjectRevision" at 4209.65,659.45 h45 r90
  text "PIN" at 2076.28,647.6 h70 r90
  text "JMP" at 3430,599.02 h78.5 r90
  text "JCLK" at 3621,590.02 h90 r90
  text "VSYS" at 2868,576 h70 r90
  text "JIO0" at 3732.28,574.2 h90 r90
  text "JIO2" at 3949.28,574.15 h90 r90
  text "JIO3" at 4045.28,574.4 h90 r90
  text "JIO1" at 3843.28,570.57 h90 r90
  text "JCS" at 3511,566.99 h90 r90
  text "NFC" at 2197.28,551.6 h70 r90
  text "PIN" at 1894,539 h70 r90
  text "PIN" at 1312,530 h70 r90
  text "__ / EN" at 1738,528 h70 r90
  text "HW" at 3430,408.02 h78.5 r90
  text "MOD" at 3740.72,380.3 h70 r90
  text "VMOD" at 1513.78,300.2 h60 r90
  text "VUSB" at 3300,300 h60 r90
  text "VSHLD" at 1015.75,293.31 h60 r90
  text "P0.04" at 1615,287 h60 r90
  text "P0.05" at 1715,287 h60 r90
  text "P0.06" at 1815,287 h60 r90
  text "P0.25" at 2015,287 h60 r90
  text "P0.26" at 2115,287 h60 r90
  text "EXTDB" at 1379,283 h60 r90
  text "QSPI / FLASH" at 4028,281.02 h70 r90
  text ".Layer_Name" at 8311.71,281.48 h40
  text "RoHS" at 363,275 h100
  text "GND" at 1218.5,249.02 h60 r90
  text "PIN" at 3596,241.02 h70 r90
  text "5V0" at 1115.16,231.3 h60 r90
Top Paste:
  rectangle: 8051.71,1199.48 8241.71,1294.48
  lines w7.87: 8051.71,1199.48 8971.71,1199.48 8971.71,1294.48 8051.71,1294.48 8051.71,1199.48
  text ".Layer_Name" at 8311.71,1226.48 h40
Bottom Paste:
  rectangle: 8051.71,136.48 8241.71,231.48
  lines w7.87: 8051.71,136.48 8971.71,136.48 8971.71,231.48 8051.71,231.48 8051.71,136.48
  text ".Layer_Name" at 8311.71,163.48 h40
Top Solder:
  rectangle: 8051.71,963.48 8241.71,1058.48
  region: 2246.06,181.1 2342.52,181.1 2342.52,145.67 2246.06,145.67
  lines w7.87: 8051.71,963.48 8051.71,1058.48 8971.71,1058.48 8971.71,963.48 8051.71,963.48
  text ".Layer_Name" at 8311.71,990.48 h40
Bottom Solder:
  circle w354.33: c565,1100 r177.16
  rectangle: 8051.71,372.48 8241.71,467.48
  lines w7.87: 8051.71,372.48 8971.71,372.48 8971.71,467.48 8051.71,467.48 8051.71,372.48
  text ".Layer_Name" at 8311.71,399.48 h40
Drill Guide:
  rectangle: 8051.71,18.48 8241.71,113.48
  lines w7.87: 8051.71,18.48 8051.71,113.48 8971.71,113.48 8971.71,18.48 8051.71,18.48
  text ".Layer_Name" at 8311.71,45.48 h40
Route Tool Path:
  rectangle: 8051.71,2262 8241.71,2357
  lines w5.98: 0,50 0,950 ccw(c0,990.5) 40.5,990.5 40.5,1319.5 ccw(c0,1319.5) 0,1360 0,2150 50,2200 4125,2200 4175,2150 4175,1707 4300,1582 4300,475 4175,350 4175,50 4125,0 3246.06,0 ccw(c3205.56,0) 3205.56,40.5 2876.57,40.5 ccw(c2876.57,0) 2836.06,0 50,0 0,50
  lines w7.87: 8051.71,2262 8051.71,2357 8971.71,2357 8971.71,2262 8051.71,2262
  text ".Layer_Name" at 8311.71,2289 h40
Border & Title:
  drawing of 58 lines, arcs and shapes, not listed
  text "1" at -218.9,6914.36 h70
  text "2" at 2531.76,6914.36 h70
  text "3" at 5276.76,6914.36 h70
  text "4" at 8027.77,6914.36 h70
  text "REVISION" at 7280,6682 h80
  text "REV" at 5870,6512 h60
  text "DESCRIPTION" at 6300,6512 h60
  text "DATE" at 8260,6512 h60
  text "BY" at 8890,6512 h60
  text ".ReleaseRev1" at 5870,6362 h50
  text ".ReleaseDesc1" at 6300,6362 h50
  text ".ReleaseBy1" at 8840,6362 h50
  text ".ReleaseDate1" at 8180,6352 h50
  text ".ReleaseRev2" at 5870,6212 h50
  text ".ReleaseDesc2" at 6300,6212 h50
  text ".ReleaseDate2" at 8180,6212 h50
  text ".ReleaseBy2" at 8840,6212 h50
  text ".ReleaseRev3" at 5870,6062 h50
  text ".ReleaseDesc3" at 6300,6062 h50
  text ".ReleaseDate3" at 8180,6062 h50
  text ".ReleaseBy3" at 8840,6062 h50
  text ".ReleaseRev4" at 5870,5911.8 h50
  text ".ReleaseDesc4" at 6300,5911.8 h50
  text ".ReleaseDate4" at 8180,5911.8 h50
  text ".ReleaseBy4" at 8840,5911.8 h50
  text "A" at -1495.24,5896.36 h70
  text "A" at 9304.76,5896.36 h70
  text ".ReleaseRev5" at 5870,5761.8 h50
  text ".ReleaseDesc5" at 6300,5761.8 h50
  text ".ReleaseDate5" at 8180,5761.8 h50
  text ".ReleaseBy5" at 8840,5761.8 h50
  text "B" at -1495.24,3771.36 h70
  text "B" at 9304.76,3771.36 h70
  text "LAYER USAGE" at 8101.71,2412.48 h80
  text "C" at -1495.24,1646.36 h70
  text "C" at 9304.76,1646.36 h70
  text "D" at -1495.24,-473.64 h70
  text "D" at 9304.76,-473.64 h70
  text "PROJECT:" at 6257.76,-601.64 h50
  text "ENGINEER:" at 4741.76,-602.64 h50
  text ".ProjectEngineer" at 5200,-668 h70
  text ".GlobalProjectName" at 6690,-668 h80
  text "PCB NAME:" at 6252.76,-815.64 h50
  text "DATE:" at 4744.76,-819.64 h50
  text "REV:" at 8351.76,-828.64 h50
  text ".GlobalProjectRevision" at 8637.17,-903.24 h80
  text ".GlobalReleaseDate" at 5030,-908 h70
  text ".PCBName" at 6690,-908 h80
  text "DWG NO:" at 4750,-1068 h50
  text "FILE NAME:" at 6250,-1068 h50
  text "SCALE:" at 8346.76,-1075.64 h50
  text "CONFIDENTIAL" at 3584.34,-1151.72 h80
  text ".Pcb_File_Name_No_Path" at 6340,-1178 h60
  text "1:1" at 8689.76,-1182.64 h50
  text ".PCBDocNum" at 5010,-1188 h60
  text "1" at -218.9,-1385.64 h70
  text "2" at 2531.76,-1385.64 h70
  text "3" at 5276.76,-1385.64 h70
  text "4" at 8027.77,-1385.64 h70
Fabrication Notes:
  drawing of 312 lines, arcs and shapes, not listed
  text "Fabrication Notes:" at -1220,6652 h70
  text "1. Fabricate to meet or exceed IPC 6011/6012 Class 2, as definied in IPC-2221" at -1220,6535.43 h50
  text "2. Prepreg Material: Material with TG >= 170, TD >= 340" at -1220.47,6417.32 h50
  text "3. Minimum trace width is 0.15mm, minimum spacing is 0.15mm" at -1220.47,6299.21 h50
  text "4. Board finish: Electroless Nickel, Immersion Gold (ENIG)" at -1220.47,6181.1 h50
  text "5. Flammability: Materials to meet UL94V-0 specification" at -1220.47,6062.99 h50
  text "6. Apply matte finish LPI Soldermask (Green) on both sides" at -1220.47,5944.88 h50
  text "7. Silkscreen on both sides using white epoxy ink or equivalent," at -1220.47,5826.77 h50
  text "registration to be 10mil, clear silkscreen from all exposed pads" at -1062.99,5708.66 h50
  text "4 Layer PCB 1.6mm +/- 10% Finished Thickness" at 3539.37,5595.47 h60
  text "8. The fabricated board shall be RoHS compliant" at -1220.47,5590.55 h50
  text "9. Supplier to add date code, flammability rating, UL marking, and lead-free marking" at -1220.47,5472.44 h50
  text "Layer" at 3590.09,5442 h60
  text "Name" at 4000,5442 h60
  text "Material" at 4929.74,5442 h60
  text "Thickness" at 6189.38,5442 h60
  text "Constant" at 6839.22,5442 h60
  text "Board Layer Stack" at 7409.08,5442 h60
  text "on bottom silkscreen in indicated area" at -1062.99,5354.33 h50
  text "Top Overlay" at 4000,5322 h60
  text "10. Individual PCBs to be smooth and free of any fiberglass shards or sharp features" at -1220.47,5236.22 h50
  text "Top Solder" at 4000,5202 h60
  text "Solder Resist" at 4929.74,5202 h60
  text "0.013mm" at 6189.38,5202 h60
  text "3.5" at 6839.22,5202 h60
  text "after de-paneling (singulation)" at -1062.99,5118.11 h50
  text "1" at 3590.09,5082 h60
  text "L1" at 4000,5082 h60
  text "0.035mm" at 6189.38,5082 h60
  text "Dielectric 1" at 4000,4962 h60
  text "Composite dielectric" at 4929.74,4962 h60
  text "0.110mm" at 6189.38,4962 h60
  text "4.2" at 6839.22,4962 h60
  text "2" at 3590.09,4842 h60
  text "L2" at 4000,4842 h60
  text "0.035mm" at 6189.38,4842 h60
  text "Core" at 4000,4722 h60
  text "Composite dielectric" at 4929.74,4722 h60
  text "1.200mm" at 6189.38,4722 h60
  text "4.2" at 6839.22,4722 h60
  text "3" at 3590.09,4602 h60
  text "L3" at 4000,4602 h60
  text "0.035mm" at 6189.38,4602 h60
  text "Dielectric 3" at 4000,4482 h60
  text "Composite dielectric" at 4929.74,4482 h60
  text "0.110mm" at 6189.38,4482 h60
  text "4.2" at 6839.22,4482 h60
  text "4" at 3590.09,4362 h60
  text "L4" at 4000,4362 h60
  text "0.035mm" at 6189.38,4362 h60
  text "Bottom Solder" at 4000,4242 h60
  text "Solder Resist" at 4929.74,4242 h60
  text "0.013mm" at 6189.38,4242 h60
  text "3.5" at 6839.22,4242 h60
  text "Bottom Overlay" at 4000,4122 h60
  text ".Layer_Name" at 8311.71,2175.48 h40
  text "Supplier to add" at 305.3,1869.15 h22
  text "date code," at 303.82,1837.53 h22
  text "flammability rating," at 303.82,1798.29 h22
  text "and Pb-free" at 300.45,1765 h22
  text "marking here" at 306.89,1733.58 h22
  text "No panel tabs /  in this area" at -728.35,1094 h50
  text "No panel tabs /  in this area" at 4509.84,920.28 h50
  text "No panel tabs /  in this area" at 2640.59,-255 h50
Rigid Outline:
  rectangle: 8051.71,2030.48 8241.71,2125.48
  lines w5.98: 0,50 50,0 2836.06,0 cw(c2876.57,0) 2876.57,40.5 3205.56,40.5 cw(c3205.56,0) 3246.06,0 4125,0 4175,50 4175,350 4300,475 4300,1582 4175,1707 4175,2150 4125,2200 50,2200 0,2150 0,1360 cw(c0,1319.5) 40.5,1319.5 40.5,990.5 cw(c0,990.5) 0,950 0,50
  lines w7.87: 8051.71,2030.48 8971.71,2030.48 8971.71,2125.48 8051.71,2125.48 8051.71,2030.48
  text ".Layer_Name" at 8311.71,2057.48 h40
Ref Des Top:
  drawing of 168 lines, arcs and shapes, not listed
  text "J4" at 3515.75,2129.2 h19.68
  text "J5" at 4055,2125 h19.68
  text "J7" at 3527.56,1983.27 h19.68
  text "J8" at 4050.2,1983.27 h19.68
  text ".Layer_Name" at 8311.71,1939.48 h40
  text "JLED1" at 3813.98,1655.51 h19.68
  text "J101" at 3089.7,1646.81 h19.68
  text "J102" at 3086.75,1588.74 h19.68
  text "J103" at 3087.73,1519.71 h19.68
  text "JCS" at 3089.7,1459.13 h19.68
  text "JMOD" at 2477.36,1439.96 h19.68
  text "JCLK" at 3087.73,1387.95 h19.68
  text "JRMOD" at 2304.13,1360.24 h19.68
  text "J104" at 3086.75,1289.53 h19.68
  text "U3" at 872.32,1119.85 h19.68
  text "J16" at 3695.04,1051.05 h19.68 r270
  text "J19" at 3693.07,962.46 h19.68 r270
  text "JSHD" at 2343.5,755.91 h19.68
  text "JRSHD" at 2310.04,696.85 h19.68
  text "J22" at 3652.72,673.09 h19.68 r270
  text "J23" at 3719.49,673.23 h19.68 r270
  text "J24" at 3518.86,672.11 h19.68 r270
  text "J21" at 3585.13,672.35 h19.68 r270
  text "JRHV" at 2372.05,575.79 h19.68 r270
  text "JHV" at 2417.46,551.34 h19.68
  text "JRST1" at 548.28,362.64 h19.68
  text "JRST2" at 709.65,269.68 h19.68
  text "$Id: CDI_001_rigid_flex_v1.5.brd 3140 2014-06-26 15:58:28Z davisj $" at -6832.71,-2182.74 h10
Ref Des Bottom:
  rectangle: 8051.71,1792.48 8241.71,1887.48
  lines w7.87: 8051.71,1792.48 8971.71,1792.48 8971.71,1887.48 8051.71,1887.48 8051.71,1792.48
  text ".Layer_Name" at 8311.71,1819.48 h40
  text "BAT1" at 550.2,1078.74 h19.68 r270
Assembly Top:
  rectangle: 8051.71,1676.48 8241.71,1771.48
  lines w7.87: 8051.71,1676.48 8051.71,1771.48 8971.71,1771.48 8971.71,1676.48 8051.71,1676.48
  text ".Layer_Name" at 8311.71,1703.48 h40
Assembly Bottom:
  rectangle: 8051.71,1558.48 8241.71,1653.48
  lines w7.87: 8051.71,1558.48 8051.71,1653.48 8971.71,1653.48 8971.71,1558.48 8051.71,1558.48
  text ".Layer_Name" at 8311.71,1585.48 h40
Courtyard Top:
  rectangle: 8051.71,1438.48 8241.71,1533.48
  lines w7.87: 8051.71,1438.48 8051.71,1533.48 8971.71,1533.48 8971.71,1438.48 8051.71,1438.48
  text ".Layer_Name" at 8311.71,1465.48 h40
Coutryard Bottom:
  rectangle: 8051.71,1318.48 8241.71,1413.48
  lines w7.87: 8051.71,1318.48 8051.71,1413.48 8971.71,1413.48 8971.71,1318.48 8051.71,1318.48
  text ".Layer_Name" at 8311.71,1345.48 h40
Drill Drawing:
  circle w10: c3573.82,2843.41 r29.09
  circle w10: c3573.82,3022.99 r29.09
  rectangle: 8051.71,-99.52 8241.71,-4.52
  lines w7.87: 8051.71,-99.52 8971.71,-99.52 8971.71,-4.52 8051.71,-4.52 8051.71,-99.52
  lines w10: 3544.74,2814.32 3602.91,2814.32 3602.91,2872.5 3544.74,2872.5 3544.74,2814.32 ; 3544.74,2828.87 3559.28,2828.87 3573.82,2814.32 3588.37,2828.87 3602.91,2828.87 3588.37,2843.41 3602.91,2857.95 3588.37,2857.95 3573.82,2872.5 3559.28,2857.95 3544.74,2857.95 3559.28,2843.41 3544.74,2828.87 ; 3544.74,3139.34 3559.28,3139.34 3559.28,3124.79 3588.37,3124.79 3588.37,3139.34 3602.91,3139.34 3602.91,3168.42 3588.37,3168.42 3588.37,3182.97 3559.28,3182.97 3559.28,3168.42 3544.74,3168.42 3544.74,3139.34 ; 3544.74,3313.86 3602.91,3313.86 3573.82,3255.69 3544.74,3313.86 ; 3544.74,3386.58 3602.91,3386.58 3602.91,3444.75 3544.74,3444.75 3544.74,3386.58 ; 3544.74,3517.47 3573.82,3532.02 3602.91,3517.47 3588.37,3546.56 3602.91,3575.65 3573.82,3561.1 3544.74,3575.65 3559.28,3546.56 3544.74,3517.47 ; 3544.74,3648.37 3544.74,3662.91 3559.28,3677.45 3544.74,3692 3544.74,3706.54 3559.28,3706.54 3573.82,3692 3588.37,3706.54 3602.91,3706.54 3602.91,3692 3588.37,3677.45 3602.91,3662.91 3602.91,3648.37 3588.37,3648.37 3573.82,3662.91 3559.28,3648.37 3544.74,3648.37
  lines w15: 3492.16,2954.63 7939.63,2954.63 ; 3492.16,3739.99 7939.63,3739.99 ; 3976.95,2823.74 3976.95,3870.89 ; 4589.95,2823.74 4589.95,3870.89 ; 5768.24,2823.74 5768.24,3870.89 ; 6213.75,2823.74 6213.75,3870.89 ; 6858.16,2823.74 6858.16,3870.89 ; 3492.16,2644.16 7939.63,2644.16 ; 3492.16,2644.16 3492.16,3036.84 ; 3492.16,2644.16 7939.63,2644.16 ; 3492.16,2644.16 3492.16,3036.84 ; 3492.16,2644.16 7939.63,2644.16 ; 3492.16,2644.16 3492.16,3036.84 ; 3492.16,2775.05 7939.63,2775.05 ; 3492.16,2775.05 7939.63,2775.05 ; 3492.16,2775.05 7939.63,2775.05 ; 3492.16,2905.95 7939.63,2905.95 ; 3492.16,2905.95 7939.63,2905.95 ; 3492.16,2905.95 7939.63,2905.95 ; 3492.16,3036.84 7939.63,3036.84 ; 3492.16,3036.84 7939.63,3036.84 ; 3492.16,3036.84 7939.63,3036.84 ; 3976.95,2644.16 3976.95,3036.84 ; 3976.95,2644.16 3976.95,3036.84 ; 3976.95,2644.16 3976.95,3036.84 ; 4589.95,2644.16 4589.95,3036.84 ; 4589.95,2644.16 4589.95,3036.84 ; 4589.95,2644.16 4589.95,3036.84 ; 5768.24,2644.16 5768.24,3036.84 ; 5768.24,2644.16 5768.24,3036.84 ; 5768.24,2644.16 5768.24,3036.84 ; 6213.75,2644.16 6213.75,3036.84 ; 6213.75,2644.16 6213.75,3036.84 ; 6213.75,2644.16 6213.75,3036.84 ; 6858.16,2644.16 6858.16,3036.84 ; 6858.16,2644.16 6858.16,3036.84 ; 6858.16,2644.16 6858.16,3036.84 ; 7939.63,2644.16 7939.63,3036.84 ; 7939.63,2644.16 7939.63,3036.84 ; 7939.63,2644.16 7939.63,3036.84 ; 3492.16,2823.74 7939.63,2823.74 7939.63,3870.89 3492.16,3870.89 3492.16,2823.74
  text "All drill holes and slots are +/- 5mil tolerance" at 3530,3935 h60
  text "Symbol" at 3570.7,3779.26 h62.83
  text "Hit Count" at 4016.22,3779.26 h62.83
  text "Finished Hole Size" at 4629.22,3779.26 h62.83
  text "Plated" at 5807.51,3779.26 h62.83
  text "Hole Type" at 6253.02,3779.26 h62.83
  text "Drill Layer Pair" at 6897.43,3779.26 h62.83
  text "1200" at 4016.22,3648.37 h52.36
  text "10.00mil (0.254mm)" at 4629.22,3648.37 h52.36
  text "PTH" at 5807.51,3648.37 h52.36
  text "Round" at 6253.02,3648.37 h52.36
  text "L1 - L4" at 6897.43,3648.37 h52.36
  text "4" at 4016.22,3517.47 h52.36
  text "27.56mil (0.700mm)" at 4629.22,3517.47 h52.36
  text "PTH" at 5807.51,3517.47 h52.36
  text "Slot" at 6253.02,3517.47 h52.36
  text "L1 - L4" at 6897.43,3517.47 h52.36
  text "2" at 4016.22,3386.58 h52.36
  text "35.43mil (0.900mm)" at 4629.22,3386.58 h52.36
  text "NPTH" at 5807.51,3386.58 h52.36
  text "Round" at 6253.02,3386.58 h52.36
  text "L1 - L4" at 6897.43,3386.58 h52.36
  text "3" at 4016.22,3255.69 h52.36
  text "39.37mil (1.000mm)" at 4629.22,3255.69 h52.36
  text "NPTH" at 5807.51,3255.69 h52.36
  text "Round" at 6253.02,3255.69 h52.36
  text "L1 - L4" at 6897.43,3255.69 h52.36
  text "2" at 4016.22,3124.79 h52.36
  text "40.00mil (1.016mm)" at 4629.22,3124.79 h52.36
  text "PTH" at 5807.51,3124.79 h52.36
  text "Round" at 6253.02,3124.79 h52.36
  text "L1 - L4" at 6897.43,3124.79 h52.36
  text "5" at 4016.22,2993.9 h52.36
  text "125.98mil (3.200mm)" at 4629.22,2993.9 h52.36
  text "NPTH" at 5807.51,2993.9 h52.36
  text "Round" at 6253.02,2993.9 h52.36
  text "L1 - L4" at 6897.43,2993.9 h52.36
  text "Symbol" at 3570.7,2945.22 h62.83
  text "Symbol" at 3570.7,2945.22 h62.83
  text "Symbol" at 3570.7,2945.22 h62.83
  text "Hit Count" at 4016.22,2945.22 h62.83
  text "Hit Count" at 4016.22,2945.22 h62.83
  text "Hit Count" at 4016.22,2945.22 h62.83
  text "Finished Hole Size" at 4629.22,2945.22 h62.83
  text "Finished Hole Size" at 4629.22,2945.22 h62.83
  text "Finished Hole Size" at 4629.22,2945.22 h62.83
  text "Plated" at 5807.51,2945.22 h62.83
  text "Plated" at 5807.51,2945.22 h62.83
  text "Plated" at 5807.51,2945.22 h62.83
  text "Hole Type" at 6253.02,2945.22 h62.83
  text "Hole Type" at 6253.02,2945.22 h62.83
  text "Hole Type" at 6253.02,2945.22 h62.83
  text "Drill Layer Pair" at 6897.43,2945.22 h62.83
  text "Drill Layer Pair" at 6897.43,2945.22 h62.83
  text "Drill Layer Pair" at 6897.43,2945.22 h62.83
  text "1216 Total" at 4016.22,2863 h52.36
  text "48" at 4016.22,2814.32 h52.36
  text "47" at 4016.22,2814.32 h52.36
  text "114" at 4016.22,2814.32 h52.36
  text "7.87mil (0.200mm)" at 4629.22,2814.32 h52.36
  text "10.00mil (0.254mm)" at 4629.22,2814.32 h52.36
  text "7.87mil (0.200mm)" at 4629.22,2814.32 h52.36
  text "PTH" at 5807.51,2814.32 h52.36
  text "PTH" at 5807.51,2814.32 h52.36
  text "PTH" at 5807.51,2814.32 h52.36
  text "Round" at 6253.02,2814.32 h52.36
  text "Round" at 6253.02,2814.32 h52.36
  text "Round" at 6253.02,2814.32 h52.36
  text "[uVia] L3 - L4" at 6897.43,2814.32 h52.36
  text "L2 - L3" at 6897.43,2814.32 h52.36
  text "[uVia] L1 - L2" at 6897.43,2814.32 h52.36
  text "Slot definitions :" at 3570.7,2733.95 h52.36
  text "Routed Path Length" at 4475.42,2733.95 h52.36
  text "= Calculated from tool start centre position to tool end centre position." at 5441.2,2733.95 h52.36
  text "48 Total" at 4016.22,2683.43 h52.36
  text "47 Total" at 4016.22,2683.43 h52.36
  text "114 Total" at 4016.22,2683.43 h52.36
  text "Hole Length" at 4475.42,2644.16 h52.36
  text "= Routed Path Length + Tool Size = Slot length as defined in the PCB layout" at 5083.54,2644.16 h52.36
  text ".Layer_Name" at 8311.71,-72.52 h40

## Dimensions
50,0 to 50,2200 on Fabrication Notes
0,2150 to 4300,1582 on Fabrication Notes

## Text inside footprints (layer, text, board x,y; h text height)
RGB1: Top Overlay "1" at 3915.09,1816.28 h55.12 r180